# Altium PCB roach2.PcbDoc (part 6 of 39)
Units mil, origin at the board's own origin, x right, y up, seen from the top; angles counter-clockwise.
Board outline 12007.87 x 9606.3 mil, 16 copper layers (L1_TOP, L2_G, L3_S, L4_G, L5_S, L6_P, L7_G, L8_R, L9_R, L10_P, L11_P, L12_S, L13_P, L14_S, L15_G, L16_BOT), stack 81.651 mil thick; 1568 components, 1918 nets, 9251 pads, 6741 vias.
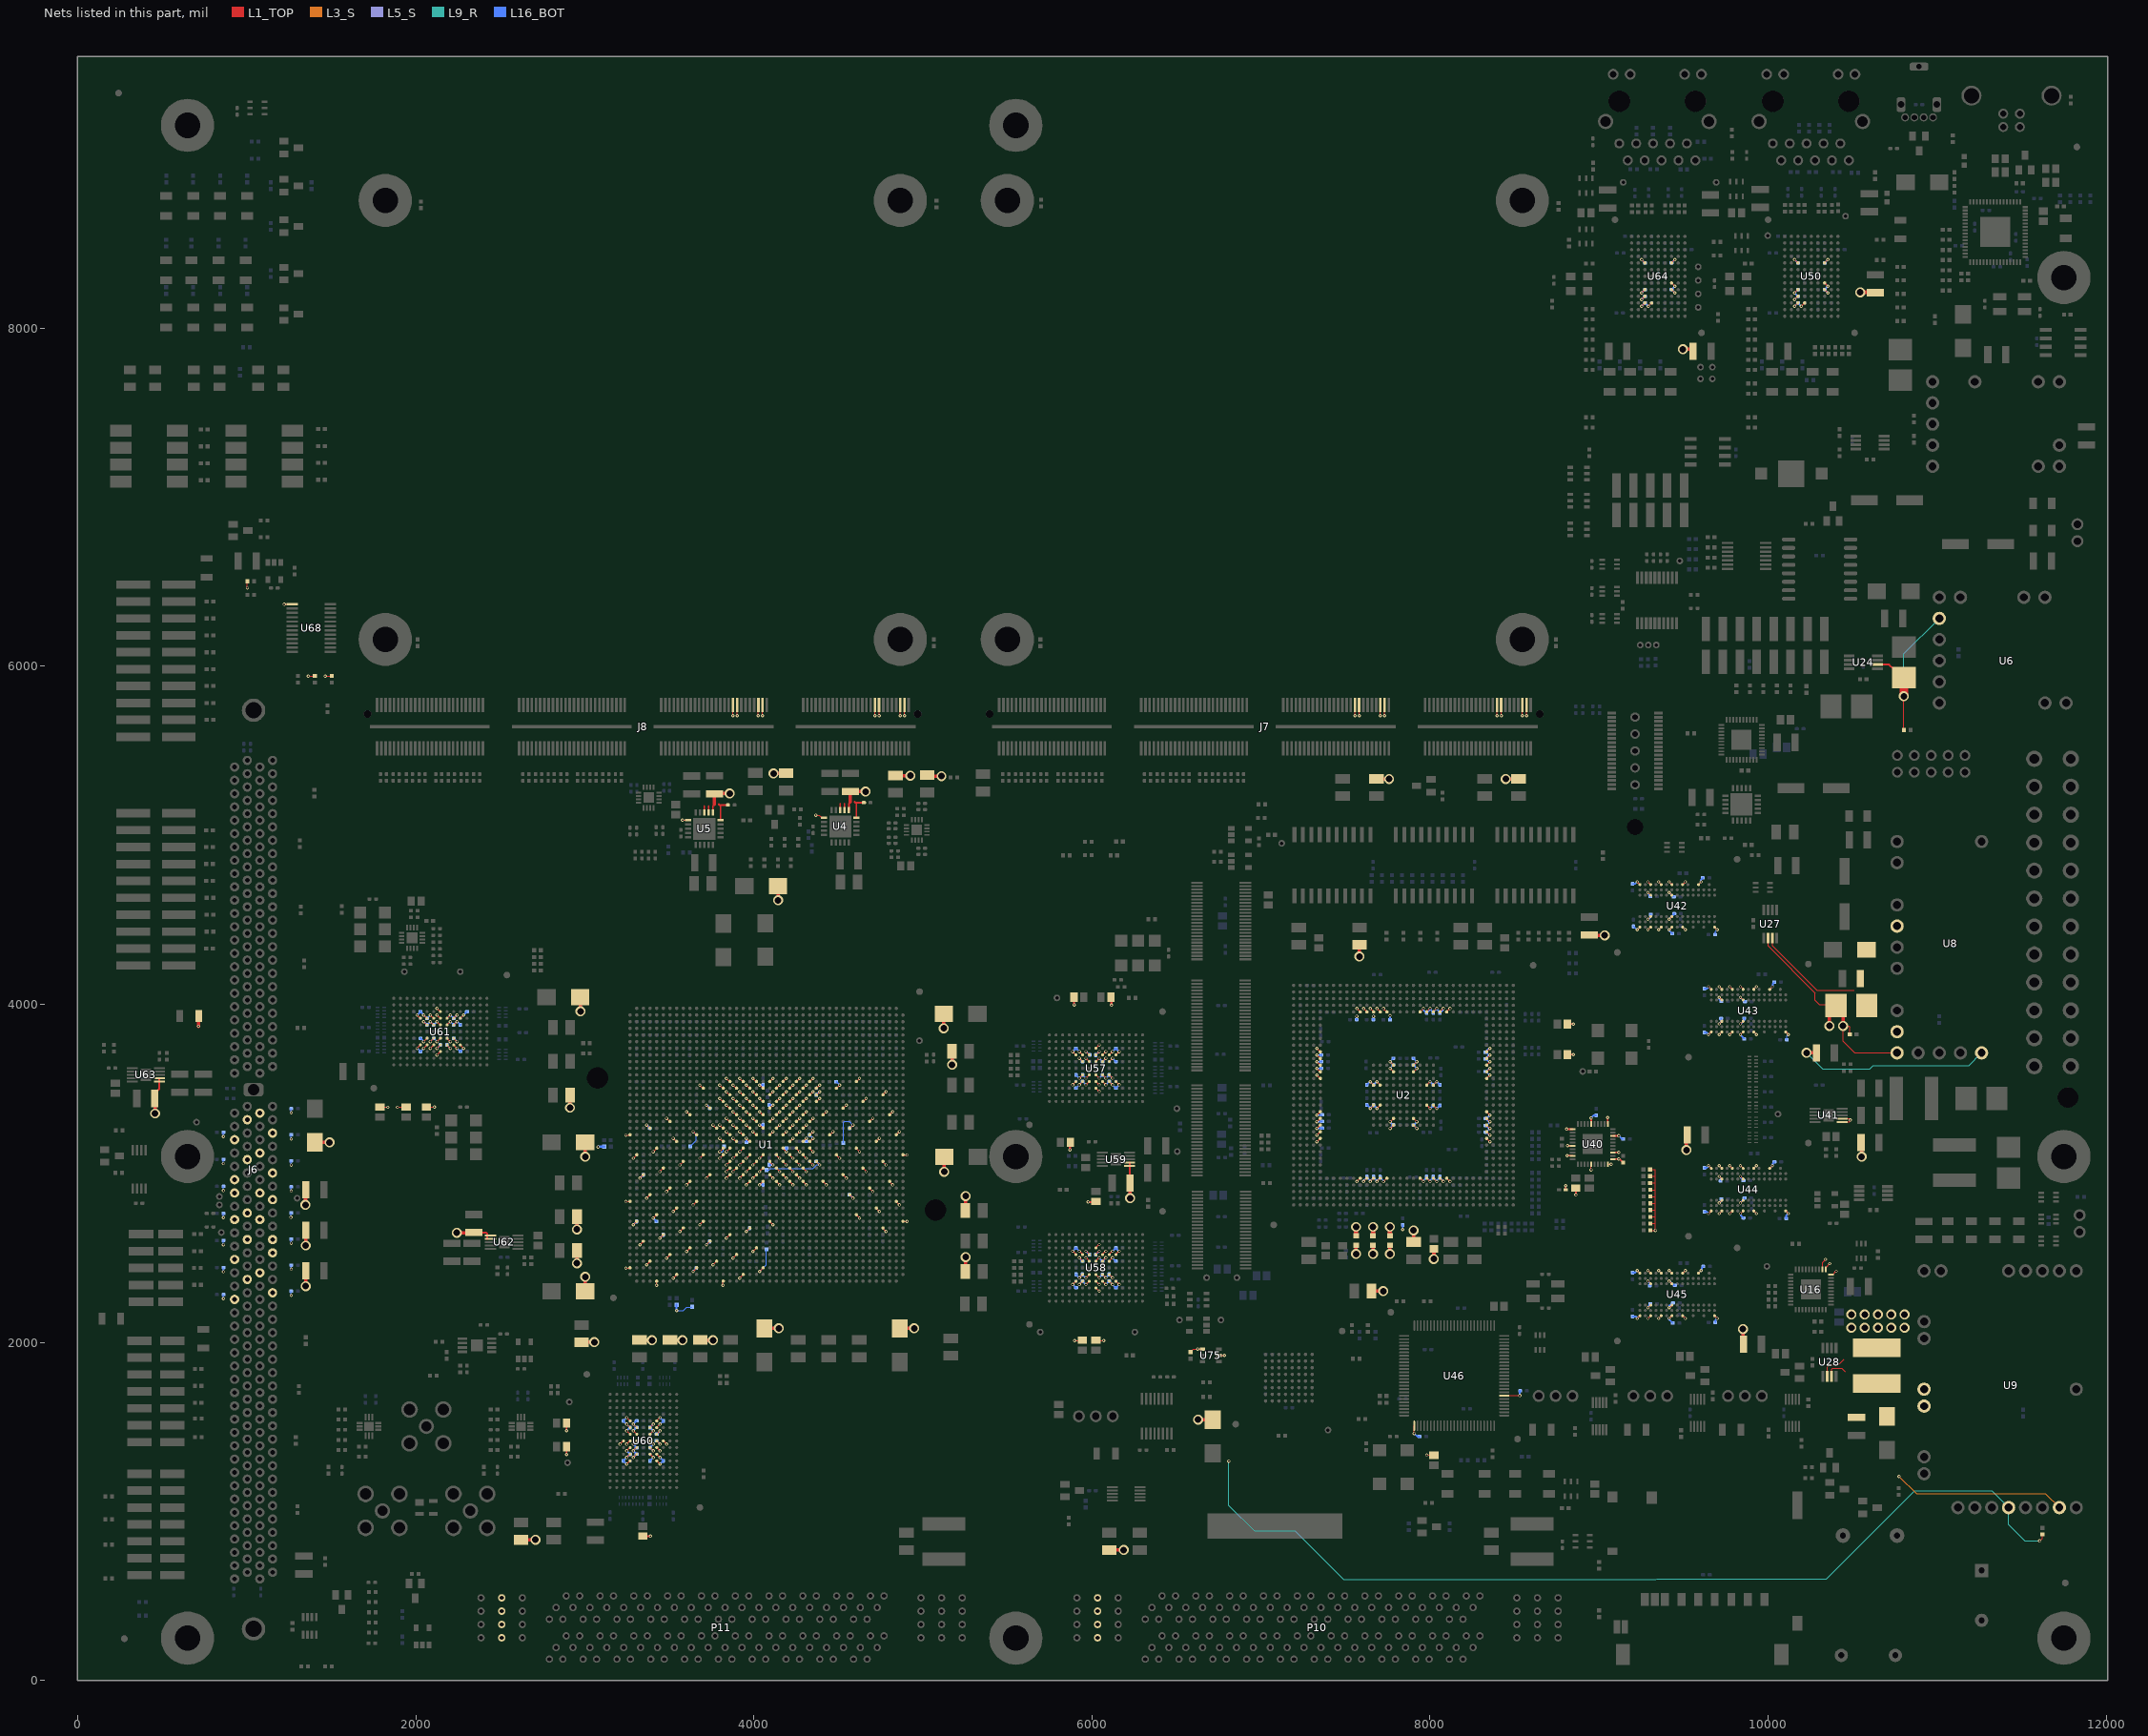
[diagram p20: the nets of this part, all layers, seen from the top]

## Via types
v1: diameter 19.4, hole 10, L1_TOP to L16_BOT, tented both sides, 3354 vias
v2: diameter 19.4, hole 10, L1_TOP to L16_BOT, 1954 vias
v3: diameter 19.4, hole 10, L1_TOP to L16_BOT, tented top, 429 vias
v4: diameter 18.6, hole 10, L1_TOP to L16_BOT, tented both sides, 311 vias
v5: diameter 59.06, hole 39.37, L1_TOP to L16_BOT, 217 vias
v6: diameter 19.4, hole 10.04, L1_TOP to L16_BOT, 125 vias
v7: diameter 19, hole 10, L1_TOP to L16_BOT, 93 vias
v8: diameter 19.4, hole 10, L1_TOP to L16_BOT, tented bottom, 80 vias
v9: diameter 25.98, hole 12.99, L1_TOP to L16_BOT, tented top, 55 vias
v10: diameter 20, hole 10, L1_TOP to L16_BOT, 53 vias
v11: diameter 59.06, hole 39.37, L1_TOP to L16_BOT, tented top, 44 vias
v12: diameter 20, hole 10, L1_TOP to L16_BOT, tented top, 16 vias
v13: diameter 19, hole 10, L1_TOP to L16_BOT, tented top, 5 vias
v14: diameter 25.98, hole 12.99, L1_TOP to L16_BOT, 4 vias
v15: diameter 50, hole 28, L1_TOP to L16_BOT, 1 vias

## Nets (pads, with @x,y where several pads share a name; then routed paths per layer and width w, separated by ;. In a path a pad name is that pad's centre, name@x,y a point inside that pad or via, vN(x,y) a via of type N, cw(c..) or ccw(c..) an arc to the next point about the centre after c; other vN are vias at no path point)
1V0: C289.2 C290.2 C291.2 C292.2 C293.2 C295.2 C296.2 C303.1 C304.1 C305.1 C306.1 C307.1 C308.1 C309.1 C310.1 C311.1 C318.2 C319.2 C320.2 C321.2 C322.2 C323.2 C324.2 C325.2 C694.2 C695.2 C696.2 C697.2 C698.2 C699.2 C700.2 R26.2 R27.2 R37.2 U1.AA12 U1.AA14 U1.AA16 U1.AA18 U1.AA20 U1.AA24 U1.AA26 U1.AB13 U1.AB15 U1.AB17 U1.AB19 U1.AB23 U1.AB25 U1.AB27 U1.AC12 U1.AC14 U1.AC16 U1.AC18 U1.AC20 U1.AC24 U1.AC26 U1.AD13 U1.AD15 U1.AD17 U1.AD19 U1.AD21 U1.AD23 U1.AD25 U1.AD27 U1.AE12 U1.AE14 U1.AE16 U1.AE18 U1.AE20 U1.AE22 U1.AE24 U1.AE26 U1.AF13 U1.AF15 U1.AF17 U1.AF19 U1.AF21 U1.AF23 U1.AF25 U1.AG12 U1.AG14 U1.AG16 U1.AG18 U1.AG20 U1.AG22 U1.AG24 U1.AG26 U1.AH13 U1.AH15 U1.AH19 U1.AH21 U1.AH23 U1.P13 U1.P15 U1.R12 U1.R14 U1.R18 U1.R20 U1.R22 U1.R24 U1.T13 U1.T15 U1.T17 U1.T19 U1.T21 U1.T23 U1.T25 U1.T27 U1.U12 U1.U14 U1.U16 U1.U18 U1.U20 U1.U22 U1.U24 U1.U26 U1.V13 U1.V15 U1.V17 U1.V19 U1.V21 U1.V23 U1.V25 U1.V27 U1.W12 U1.W14 U1.W16 U1.W18 U1.W20 U1.W22 U1.W24 U1.W26 U1.Y13 U1.Y15 U1.Y17 U1.Y19 U1.Y23 U1.Y25 U1.Y27 U9.17 U16.40 U28.2 U50.C6 U50.C7 U50.D7 U50.E3 U50.E7 U50.F3 U50.J3 U50.J7 U64.C6 U64.C7 U64.D7 U64.E3 U64.E7 U64.F3 U64.J3 U64.J7 | length 10746.2
  L1_TOP w5: R37.2@1003.31,6502.99 1003.31,6464.9 v2(1003.9,6464.3) ; v1(3798.31,3089.01) U1.AH23@3818,3108.7 ; v1(3798.31,3207.13) U1.AH21@3818,3187.44 ; v1(3798.31,3285.87) U1.AH19@3818,3266.18 ; v1(3798.31,3443.35) U1.AH15@3818,3423.66 ; v1(3798.31,3522.09) U1.AH13@3818,3502.4 ; v1(3837.68,2970.9) U1.AG26@3857.37,2990.59 ; v1(3837.68,3049.64) U1.AG24@3857.37,3069.33 ; v1(3837.68,3128.38) U1.AG22@3857.37,3148.07 ; v1(3837.68,3246.5) U1.AG20@3857.37,3226.81 ; v1(3837.68,3325.24) U1.AG18@3857.37,3305.55 ; v1(3837.68,3403.98) U1.AG16@3857.37,3384.29 ; v1(3837.68,3482.72) U1.AG14@3857.37,3463.03 ; v1(3837.68,3561.46) U1.AG12@3857.37,3541.77 ; v1(3877.05,3010.27) U1.AF25@3896.74,3029.96 ; v1(3877.05,3089.01) U1.AF23@3896.74,3108.7 ; v1(3877.05,3207.13) U1.AF21@3896.74,3187.44 ; v1(3877.05,3285.87) U1.AF19@3896.74,3266.18 ; v1(3877.05,3364.61) U1.AF17@3896.74,3344.92 ; v1(3877.05,3443.35) U1.AF15@3896.74,3423.66 ; v1(3877.05,3522.09) U1.AF13@3896.74,3502.4 ; v1(3916.42,2970.9) U1.AE26@3936.11,2990.59 ; v1(3916.42,3049.64) U1.AE24@3936.11,3069.33 ; v1(3916.42,3128.38) U1.AE22@3936.11,3148.07 ; v1(3916.42,3246.5) U1.AE20@3936.11,3226.81 ; v1(3916.42,3325.24) U1.AE18@3936.11,3305.55 ; v1(3916.42,3403.98) U1.AE16@3936.11,3384.29 ; v1(3916.42,3482.72) U1.AE14@3936.11,3463.03 ; v1(3916.42,3561.46) U1.AE12@3936.11,3541.77 ; v1(3955.79,2931.53) U1.AD27@3975.48,2951.22 ; v1(3955.79,3010.27) U1.AD25@3975.48,3029.96 ; v1(3955.79,3089.01) U1.AD23@3975.48,3108.7 ; v1(3955.79,3207.13) U1.AD21@3975.48,3187.44 ; v1(3955.79,3285.87) U1.AD19@3975.48,3266.18 ; v1(3955.79,3364.61) U1.AD17@3975.48,3344.92 ; v1(3955.79,3443.35) U1.AD15@3975.48,3423.66 ; v1(3955.79,3522.09) U1.AD13@3975.48,3502.4 ; U1.AD21@3975.16,3181.76 U1.AD21@3975.48,3181.44 ; v1(3995.16,2970.9) U1.AC26@4014.85,2990.59 ; v1(3995.16,3049.64) U1.AC24@4014.85,3069.33 ; v1(3995.16,3246.5) U1.AC20@4014.85,3226.81 ; v1(3995.16,3325.24) U1.AC18@4014.85,3305.55 ; v1(3995.16,3403.98) U1.AC16@4014.85,3384.29 ; v1(3995.16,3482.72) U1.AC14@4014.85,3463.03 ; v1(3995.16,3561.46) U1.AC12@4014.85,3541.77 ; v1(4034.53,2931.53) U1.AB27@4054.22,2951.22 ; v1(4034.53,3010.27) U1.AB25@4054.22,3029.96 ; v1(4034.53,3089.01) U1.AB23@4054.22,3108.7 ; v1(4034.53,3285.87) U1.AB19@4054.22,3266.18 ; v1(4034.53,3364.61) U1.AB17@4054.22,3344.92 ; v1(4034.53,3443.35) U1.AB15@4054.22,3423.66 ; v1(4034.53,3522.09) U1.AB13@4054.22,3502.4 ; U1.AA26@4093.59,2990.59 v1(4113.28,2970.9) ; U1.AA24@4093.59,3069.33 v1(4113.28,3049.64) ; U1.AA20@4093.59,3226.81 v1(4113.28,3246.5) ; U1.AA18@4093.59,3305.55 v1(4113.28,3325.24) ; U1.AA16@4093.59,3384.29 v1(4113.28,3403.98) ; U1.AA14@4093.59,3463.03 v1(4113.28,3482.72) ; U1.AA12@4093.59,3541.77 v1(4113.28,3561.46) ; U1.Y27@4132.96,2951.22 v1(4152.65,2931.53) ; U1.Y25@4132.96,3029.96 v1(4152.65,3010.27) ; U1.Y23@4132.96,3108.7 v1(4152.65,3089.01) ; U1.Y19@4132.96,3266.18 v1(4152.65,3285.87) ; U1.Y17@4132.96,3344.92 v1(4152.65,3364.61) ; U1.Y15@4132.96,3423.66 v1(4152.65,3443.35) ; U1.Y13@4132.96,3502.4 v1(4152.65,3522.09) ; U1.W26@4172.33,2990.59 v1(4192.02,2970.9) ; U1.W24@4172.33,3069.33 v1(4192.02,3049.64) ; U1.W22@4172.33,3148.07 v1(4192.02,3128.38) ; U1.W20@4172.33,3226.81 v1(4192.02,3246.5) ; U1.W18@4172.33,3305.55 v1(4192.02,3325.24) ; U1.W16@4172.33,3384.29 v1(4192.02,3403.98) ; U1.W14@4172.33,3463.03 v1(4192.02,3482.72) ; U1.W12@4172.33,3541.77 v1(4192.02,3561.46) ; U1.V27@4211.7,2951.22 v1(4231.39,2931.53) ; U1.V25@4211.7,3029.96 v1(4231.39,3010.27) ; U1.V23@4211.7,3108.7 v1(4231.39,3089.01) ; U1.V21@4211.7,3187.44 v1(4231.39,3207.13) ; U1.V19@4211.7,3266.18 v1(4231.39,3285.87) ; U1.V17@4211.7,3344.92 v1(4231.39,3364.61) ; U1.V15@4211.7,3423.66 v1(4231.39,3443.35) ; U1.V13@4211.7,3502.4 v1(4231.39,3522.09) ; U1.U26@4251.07,2990.59 v1(4270.76,2970.9) ; U1.U24@4251.07,3069.33 v1(4270.76,3049.64) ; U1.U22@4251.07,3148.07 v1(4270.76,3128.38) ; U1.U20@4251.07,3226.81 v1(4270.76,3246.5) ; U1.U18@4251.07,3305.55 v1(4270.76,3325.24) ; U1.U16@4251.07,3384.29 v1(4270.76,3403.98) ; U1.U14@4251.07,3463.03 v1(4270.76,3482.72) ; U1.U12@4251.07,3541.77 v1(4270.76,3561.46) ; U1.T27@4290.44,2951.22 v1(4310.13,2931.53) ; U1.T25@4290.44,3029.96 v1(4310.13,3010.27) ; U1.T23@4290.44,3108.7 v1(4310.13,3089.01) ; U1.T21@4290.44,3187.44 v1(4310.13,3207.13) ; U1.T19@4290.44,3266.18 v1(4310.13,3285.87) ; U1.T17@4290.44,3344.92 v1(4310.13,3364.61) ; U1.T15@4290.44,3423.66 v1(4310.13,3443.35) ; U1.T13@4290.44,3502.4 v1(4310.13,3522.09) ; U1.R24@4329.81,3069.33 v1(4349.5,3049.64) ; U1.R22@4329.81,3148.07 v1(4349.5,3128.38) ; U1.R20@4329.81,3226.81 v1(4349.5,3246.5) ; U1.R18@4329.81,3305.55 v1(4349.5,3325.24) ; U1.R14@4329.81,3463.03 v1(4349.5,3482.72) ; U1.R12@4329.81,3541.77 v1(4349.5,3561.46) ; U1.P15@4369.18,3423.66 v1(4388.87,3443.35) ; U1.P13@4369.18,3502.4 v1(4388.87,3522.09) ; v1(9251.97,8129.92) U64.C7@9271.65,8149.61 ; v1(9251.97,8169.29) U64.D7@9271.65,8188.98 ; v1(9251.97,8208.66) U64.E7@9271.65,8228.35 ; v1(9251.97,8405.51) U64.J7@9271.65,8385.83 ; v1(9291.34,8129.92) U64.C6@9311.02,8149.61 ; U64.E3@9429.13,8228.35 v1(9448.82,8208.66) ; U64.F3@9429.13,8267.72 v1(9448.82,8248.03) ; U64.J3@9429.13,8385.83 v1(9448.82,8405.51) ; v1(10157.48,8129.92) U50.C7@10177.17,8149.61 ; v1(10157.48,8169.29) U50.D7@10177.17,8188.98 ; v1(10157.48,8208.66) U50.E7@10177.17,8228.35 ; v1(10157.48,8405.51) U50.J7@10177.17,8385.83 ; v1(10196.85,8129.92) U50.C6@10216.54,8149.61 ; U50.E3@10334.65,8228.35 v1(10354.33,8208.66) ; U50.F3@10334.65,8267.72 v1(10354.33,8248.03) ; U50.J3@10334.65,8385.83 v1(10354.33,8405.51) ; U28.2@10350.39,1826.77 10350.39,1854.33 10362.2,1866.14 10416.14,1866.14 10450.2,1900.2 ; U16.40@10372.09,2401.57 10383.57,2401.57 v7(10403,2421) ; v2(11606.99,824.99) 11622.99,840.99 R26.2@11622.99,863.31
  L1_TOP w20: v5(2974.99,3958.99) C307.1@2974.99,4044.58 ; C310.1@3002.99,2302.05 v5(3002.99,2387.64) ; v5(3002.99,3098.35) C305.1@3002.99,3183.94 ; C306.1@4062.4,2082.99 v5(4147.99,2082.99) ; v5@4142.99,4607.79 v5(4142.99,4614.99) C304.1@4142.99,4690.79 ; C309.1@4862.4,2082.99 v5(4947.99,2082.99) ; v5(5122.99,3857.99) C308.1@5122.99,3943.58 ; v5(5125.98,3009.49) C303.1@5125.98,3095.08 ; v5(6628.02,1542.99) C311.1@6713.61,1542.99 ; v5@9505.81,7875.28 C694.2@9551.28,7875.28 ; v5@10554.99,8212.99 C289.2@10600.46,8212.99
  L9_R w3.8: v2(6810,1298) 6810,1036 6960,886 7200,886 7489.6,596.4 9336.46,596.4 9340.06,600 10346,600 10868,1122 11323.98,1122 U9.17@11422.99,1022.99 11422.99,921.01 11519.01,824.99 v2(11606.99,824.99)
  L16_BOT w10: v1(9251.97,8129.92) C699.2@9271.65,8149.61 v1(9291.34,8129.92) ; v1(9251.97,8169.29) C698.2@9271.65,8188.98 ; v1(9251.97,8208.66) C695.2@9271.65,8228.35 ; v1(9251.97,8405.51) C700.2@9271.65,8385.83 ; C696.2@9429.13,8385.83 v1(9448.82,8405.51) ; v1(9448.82,8208.66) C697.2@9429.13,8228.35 v1(9448.82,8248.03) ; v1(10157.48,8129.92) C290.2@10177.17,8149.61 v1(10196.85,8129.92) ; v1(10157.48,8169.29) C293.2@10177.17,8188.98 v1(10157.48,8208.66) 10176.18,8227.36 C296.2@10178.15,8227.36 ; v1(10157.48,8405.51) C291.2@10177.17,8385.83 ; C292.2@10334.65,8385.83 v1(10354.33,8405.51) ; v1(10354.33,8208.66) C295.2@10334.65,8228.35 v1(10354.33,8248.03)
  L16_BOT w12: C323.2@3956.69,3188.98 v1@3956.69,3208.66 ; v1@4035.43,2933.07 C320.2@4055.12,2933.07 ; v1@4035.43,3287.4 C324.2@4055.12,3287.4 ; v1@4035.43,3523.62 C325.2@4055.12,3523.62 ; C321.2@4090.99,3405.51 4092.52,3403.98 v1(4113.28,3403.98) ; C322.2@4094.49,3051.18 v1@4114.17,3051.18 ; v1@4113.28,3405.51 v1@4114.17,3405.51 ; v1@4192.91,3129.92 C319.2@4192.91,3149.61 ; C318.2@4311.02,3188.98 v1@4311.02,3208.66
  other v5: 10492.44,2086.61 10571.18,2086.61 10649.92,2086.61 10728.66,2086.61 10807.4,2086.61 10492.44,2165.35 10571.18,2165.35 10649.92,2165.35 10728.66,2165.35 10807.4,2165.35 9495.81,7875.28 10544.99,8212.99
1V0MON: C34.1 C35.2 R27.1 U9.10 U9.11 U28.3 | length 132.6
  L1_TOP w5: U28.3@10375.79,1799.33 10375.79,1840.35 10381.89,1846.46 10437.01,1846.46 10456.69,1826.77
1V5: C7.2 C8.2 C10.2 C11.2 C363.1 C367.2 C369.2 C373.1 C374.1 C375.1 C376.1 C377.2 C379.2 C381.2 C383.2 C387.1 C390.2 C394.1 C395.1 C396.1 C397.2 C399.2 C401.2 C403.1 C404.2 C408.1 C409.2 C411.2 C413.2 C415.1 C416.2 C512.2 C513.2 C514.2 C515.2 C516.2 C517.2 C518.2 C519.2 C520.2 C522.2 C523.2 C524.2 C525.2 C526.2 C527.2 C528.2 C529.2 C530.2 C567.2 C572.2 C573.2 C574.2 C575.2 C576.2 C577.2 C578.2 C579.2 C580.2 C582.2 C583.2 C584.2 C585.2 C586.2 C587.2 C588.2 C589.2 C590.2 C627.2 C632.1 C633.2 C634.2 C635.2 C636.2 C637.2 C638.2 C639.2 C640.2 C641.2 C642.2 C643.2 C644.2 C645.2 C646.2 C647.2 C648.2 C649.2 C650.2 C662.2 C712.1 C713.1 C716.1 C717.1 F8.1 J6.51 J6.54 J6.57 J6.60 J6.62 J6.65 J6.66 J6.69 J6.72 J6.75 J6.78 J6.170 J6.173 J6.176 J6.179 J6.182 J6.183 J6.186 J6.189 J6.191 J6.194 J6.197 J7.C27 J7.C28 J7.C31 J7.C32 J7.D27 J7.D28 J7.D31 J7.D32 J8.C27 J8.C28 J8.C31 J8.C32 J8.D27 J8.D28 J8.D31 J8.D32 L8.1 L11.1 L13.2 L14.1 L17.1 R18.2 R21.2 R264.2 R266.2 R317.2 R319.2 R325.2 R328.2 R330.2 R332.2 R430.2 R435.2 R476.2 U1.A23 U1.A33 U1.AA33 U1.AB40 U1.AC37 U1.AD34 U1.AE41 U1.AF38 U1.AG25 U1.AG35 U1.AH22 U1.AH42 U1.AJ19 U1.AJ39 U1.AK16 U1.AK26 U1.AK36 U1.AL13 U1.AL23 U1.AL33 U1.AM20 U1.AM30 U1.AM40 U1.AN17 U1.AN27 U1.AN37 U1.AP24 U1.AP34 U1.AR21 U1.AR31 U1.AR41 U1.AT18 U1.AT28 U1.AT38 U1.AU25 U1.AU35 U1.AV22 U1.AV32 U1.AV42 U1.AW19 U1.AW29 U1.AW39 U1.AY26 U1.AY36 U1.B20 U1.B30 U1.BA23 U1.BA33 U1.BB20 U1.BB30 U1.BB40 U1.C17 U1.C27 U1.D14 U1.D24 U1.D34 U1.E21 U1.E31 U1.F18 U1.F28 U1.G15 U1.G25 U1.H12 U1.H22 U1.H32 U1.J19 U1.J29 U1.K16 U1.K26 U1.L13 U1.L23 U1.M20 U1.N17 U1.N27 U1.P14 U1.P24 U1.R21 U4.5 U4.6 U4.7 U4.8 U4.11 U5.5 U5.6 U5.7 U5.8 U5.11 U8.10 U9.20 U16.1 U27.2 U57.E4 U57.E8 U57.F4 U57.F8 U57.G4 U57.G8 U57.H3 U57.H4 U57.H8 U57.H9 U57.J4 U57.J8 U57.K4 U57.K8 U57.L4 U57.L8 U58.E4 U58.E8 U58.F4 U58.F8 U58.G4 U58.G8 U58.H3 U58.H4 U58.H8 U58.H9 U58.J4 U58.J8 U58.K4 U58.K8 U58.L4 U58.L8 U59.1 U59.2 U60.E4 U60.E8 U60.F4 U60.F8 U60.G4 U60.G8 U60.H3 U60.H4 U60.H8 U60.H9 U60.J4 U60.J8 U60.K4 U60.K8 U60.L4 U60.L8 U61.E4 U61.E8 U61.F4 U61.F8 U61.G4 U61.G8 U61.H3 U61.H4 U61.H8 U61.H9 U61.J4 U61.J8 U61.K4 U61.K8 U61.L4 U61.L8 U62.1 U62.2 U63.1 U63.2 U68.1 U75.1 U75.5 | length 14324.7
  L1_TOP w5: v2(1221.62,6366.74) U68.1@1269.79,6366.74 ; v2(1364.3,5942.08) 1364.9,5942.68 R435.2@1402.99,5942.68 ; v2(1464.3,5942.08) 1464.9,5942.68 R430.2@1502.99,5942.68 ; v1(2007.87,3740.16) U61.L8@2027.56,3759.84 ; v1(2007.87,3937.01) U61.L4@2027.56,3917.32 ; v1(2047.24,3740.16) U61.K8@2066.93,3759.84 ; v1(2047.24,3937.01) U61.K4@2066.93,3917.32 ; C582.2@2075.99,3391.99 v2@2107.99,3391.99 ; v1(2086.61,3740.16) U61.J8@2106.3,3759.84 ; v1(2086.61,3937.01) U61.J4@2106.3,3917.32 ; v1(2125.98,3700.79) U61.H9@2145.67,3720.47 ; v1(2125.98,3740.16) U61.H8@2145.67,3759.84 ; v1(2125.98,3937.01) U61.H4@2145.67,3917.32 ; v1(2125.98,3976.38) U61.H3@2145.67,3956.69 ; U61.G8@2185.04,3759.84 v1(2204.73,3740.16) ; U61.G4@2185.04,3917.32 v1(2204.73,3937.01) ; U61.F8@2224.41,3759.84 v1(2244.1,3740.16) ; U61.F4@2224.41,3917.32 v1(2244.1,3937.01) ; U61.E8@2263.78,3759.84 v1(2283.47,3740.16) ; U61.E4@2263.78,3917.32 v1(2283.47,3937.01) ; v1(3208.66,1397.64) U60.H3@3228.35,1417.32 ; v1@3247.13,2439.41 3267.92,2439.41 U1.BB40@3268.24,2439.72 ; v1@3247.13,2833.11 3267.92,2833.11 U1.BB30@3268.24,2833.42 ; v1@3247.13,3226.81 3267.92,3226.81 U1.BB20@3268.24,3227.13 ; v1(3248.03,1279.53) U60.L4@3267.72,1299.21 ; v1(3248.03,1318.9) U60.K4@3267.72,1338.58 ; v1(3248.03,1358.27) U60.J4@3267.72,1377.95 ; v1(3248.03,1397.64) U60.H4@3267.72,1417.32 ; v1(3248.03,1476.38) U60.G4@3267.72,1456.69 ; v1(3248.03,1515.75) U60.F4@3267.72,1496.06 ; v1(3248.03,1555.12) U60.E4@3267.72,1535.43 ; v1(3286.5,2695.31) U1.BA33@3306.19,2715 ; v1(3286.5,3089.01) U1.BA23@3306.19,3108.7 ; v1(3325.87,2577.2) U1.AY36@3345.56,2596.89 ; v1(3325.87,2970.9) U1.AY26@3345.56,2990.59 ; v1(3365.24,2459.09) U1.AW39@3384.93,2478.78 ; v1(3365.24,2852.79) U1.AW29@3384.93,2872.48 ; v1(3365.24,3285.87) U1.AW19@3384.93,3266.18 ; v1(3404.61,2734.68) U1.AV32@3424.3,2754.37 ; v1(3404.61,3128.38) U1.AV22@3424.3,3148.07 ; U1.AV42@3423.98,2358.09 3424.3,2357.77 v1(3424.3,2336.98) ; U60.L8@3425.2,1299.21 v1(3444.88,1279.53) ; U60.K8@3425.2,1338.58 v1(3444.88,1318.9) ; U60.J8@3425.2,1377.95 v1(3444.88,1358.27) ; U60.H8@3425.2,1417.32 v1(3444.88,1397.64) ; U60.G8@3425.2,1456.69 v1(3444.88,1476.38) ; U60.F8@3425.2,1496.06 v1(3444.88,1515.75) ; U60.E8@3425.2,1535.43 v1(3444.88,1555.12) ; v1(3443.98,2616.57) U1.AU35@3463.67,2636.26 ; v1(3443.98,3010.27) U1.AU25@3463.67,3029.96 ; U60.H9@3464.57,1417.32 v1(3484.25,1397.64) ; v1(3483.35,2498.46) U1.AT38@3503.04,2518.15 ; v1(3483.35,2892.16) U1.AT28@3503.04,2911.85 ; v1(3483.35,3325.24) U1.AT18@3503.04,3305.55 ; v1(3522.72,2380.35) U1.AR41@3542.41,2400.04 ; v1(3522.72,2774.05) U1.AR31@3542.41,2793.74 ; v1(3522.72,3207.13) U1.AR21@3542.41,3187.44 ; v1(3562.09,2655.94) U1.AP34@3581.78,2675.63 ; v1(3562.09,3049.64) U1.AP24@3581.78,3069.33 ; v2(3578.17,5090.17) U5.11@3609.52,5090.17 ; v1(3601.46,2537.83) U1.AN37@3621.15,2557.52 ; v1(3601.46,2931.53) U1.AN27@3621.15,2951.22 ; v1(3601.46,3364.61) U1.AN17@3621.15,3344.92 ; v1(3640.83,2419.72) U1.AM40@3660.52,2439.41 ; v1(3640.83,2813.42) U1.AM30@3660.52,2833.11 ; v1(3640.83,3246.5) U1.AM20@3660.52,3226.81 ; v1(3680.2,2695.31) U1.AL33@3699.89,2715 ; v1(3680.2,3089.01) U1.AL23@3699.89,3108.7 ; v1(3680.2,3522.09) U1.AL13@3699.89,3502.4 ; v1(3719.57,2577.2) U1.AK36@3739.26,2596.89 ; v1(3719.57,2970.9) U1.AK26@3739.26,2990.59 ; v1(3719.57,3403.98) U1.AK16@3739.26,3384.29 ; v1(3758.94,2459.09) U1.AJ39@3778.63,2478.78 ; v1(3758.94,3285.87) U1.AJ19@3778.63,3266.18 ; v1(3798.31,3128.38) U1.AH22@3818,3148.07 ; U1.AH42@3817.68,2358.09 3818,2357.77 v1(3818,2336.98) ; v1(3837.68,2616.57) U1.AG35@3857.37,2636.26 ; v1(3837.68,3010.27) U1.AG25@3857.37,3029.96 ; v3(3876.28,5707.7) J8.C27@3876.28,5770.49 ; v1(3877.05,2498.46) U1.AF38@3896.74,2518.15 ; v3(3901.28,5707.7) J8.C28@3901.28,5770.49 ; v1(3916.42,2380.35) U1.AE41@3936.11,2400.04 ; v1(3955.79,2655.94) U1.AD34@3975.48,2675.63 ; v1(3995.16,2537.83) U1.AC37@4014.85,2557.52 ; v3(4026.28,5707.7) J8.C31@4026.28,5770.49 ; v1(4034.53,2419.72) U1.AB40@4054.22,2439.41 ; v3(4051.28,5707.7) J8.C32@4051.28,5770.49 ; U1.AA33@4093.59,2715 v1(4113.28,2695.31) ; U1.R21@4329.81,3187.44 v1(4349.5,3207.13) ; v2(4366.99,5118.99) 4386.98,5118.99 4401.79,5104.17 U4.11@4415.52,5104.17 ; U1.P24@4369.18,3069.33 v1(4388.87,3049.64) ; U1.P14@4369.18,3463.03 v1(4388.87,3482.72) ; U1.N27@4408.55,2951.22 v1(4428.24,2931.53) ; U1.N17@4408.55,3344.92 v1(4428.24,3364.61) ; U1.M20@4447.92,3226.81 v1(4467.61,3246.5) ; U1.L23@4487.29,3108.7 v1(4506.98,3089.01) ; U1.L13@4487.29,3502.4 v1(4506.98,3522.09) ; U1.K26@4526.66,2990.59 v1(4546.35,2970.9) ; U1.K16@4526.66,3384.29 v1(4546.35,3403.98) ; U1.J29@4566.03,2872.48 v1(4585.72,2852.79) ; U1.J19@4566.03,3266.18 v1(4585.72,3285.87) ; U1.H32@4605.4,2754.37 v1(4625.09,2734.68) ; U1.H22@4605.4,3148.07 v1(4625.09,3128.38) ; U1.H12@4605.4,3541.77 v1(4625.09,3561.46) ; U1.G25@4644.77,3029.96 v1(4664.46,3010.27) ; U1.G15@4644.77,3423.66 v1(4664.46,3443.35) ; U1.F28@4684.14,2911.85 v1(4703.83,2892.16) ; U1.F18@4684.14,3305.55 v1(4703.83,3325.24) ; v3(4716.28,5707.7) J8.D27@4716.28,5770.49 ; U1.E31@4723.51,2793.74 v1(4743.2,2774.05) ; U1.E21@4723.51,3187.44 v1(4743.2,3207.13) ; v3(4741.28,5707.7) J8.D28@4741.28,5770.49 ; U1.D34@4762.88,2675.63 v1(4782.57,2655.94) ; U1.D24@4762.88,3069.33 v1(4782.57,3049.64) ; U1.D14@4762.88,3463.03 v1(4782.57,3482.72) ; U1.C27@4802.25,2951.22 v1(4821.94,2931.53) ; U1.C17@4802.25,3344.92 v1(4821.94,3364.61) ; U1.B30@4841.62,2833.11 v1(4861.31,2813.42) ; U1.B20@4841.62,3226.81 v1(4861.31,3246.5) ; v3(4866.28,5707.7) J8.D31@4866.28,5770.49 ; U1.A33@4879.57,2714.68 4879.89,2715 v1@4900.68,2715 ; U1.A23@4879.57,3108.39 4879.89,3108.7 v1@4900.68,3108.7 ; v3(4891.28,5707.7) J8.D32@4891.28,5770.49 ; v1(5885.83,2342.52) U58.E4@5905.51,2362.2 ; v1(5885.83,2539.37) U58.E8@5905.51,2519.68 ; v1(5885.83,3523.62) U57.E4@5905.51,3543.31 ; v1(5885.83,3720.47) U57.E8@5905.51,3700.79 ; v1(5925.2,2342.52) U58.F4@5944.88,2362.2 ; v1(5925.2,2539.37) U58.F8@5944.88,2519.68 ; v1(5925.2,3523.62) U57.F4@5944.88,3543.31 ; v1(5925.2,3720.47) U57.F8@5944.88,3700.79 ; v1(5964.57,2342.52) U58.G4@5984.25,2362.2 ; v1(5964.57,2539.37) U58.G8@5984.25,2519.68 ; v1(5964.57,3523.62) U57.G4@5984.25,3543.31 ; v1(5964.57,3720.47) U57.G8@5984.25,3700.79 ; U58.H3@6023.62,2322.83 v1(6043.31,2303.15) ; U58.H4@6023.62,2362.2 v1(6043.31,2342.52) ; U58.H8@6023.62,2519.68 v1(6043.31,2539.37) ; U58.H9@6023.62,2559.05 v1(6043.31,2578.74) ; U57.H3@6023.62,3503.94 v1(6043.31,3484.25) ; U57.H4@6023.62,3543.31 v1(6043.31,3523.62) ; U57.H8@6023.62,3700.79 v1(6043.31,3720.47) ; U57.H9@6023.62,3740.16 v1(6043.31,3759.84) ; C522.2@6034.99,2010.99 v2@6066.99,2010.99 ; U58.J4@6062.99,2362.2 v1(6082.68,2342.52) ; U58.J8@6062.99,2519.68 v1(6082.68,2539.37) ; U57.J4@6062.99,3543.31 v1(6082.68,3523.62) ; U57.J8@6062.99,3700.79 v1(6082.68,3720.47) ; U58.K4@6102.36,2362.2 v1(6122.05,2342.52) ; U58.K8@6102.36,2519.68 v1(6122.05,2539.37) ; U57.K4@6102.36,3543.31 v1(6122.05,3523.62) ; U57.K8@6102.36,3700.79 v1(6122.05,3720.47) ; U58.L4@6141.73,2362.2 v1(6161.42,2342.52) ; U58.L8@6141.73,2519.68 v1(6161.42,2539.37) ; U57.L4@6141.73,3543.31 v1(6161.42,3523.62) ; U57.L8@6141.73,3700.79 v1(6161.42,3720.47) ; R476.2@6582.99,1942.68 6600.71,1960.39 v3(6625.68,1960.39) ; v3@6627.68,1960.39 U75.1@6659.68,1960.39 ; U75.5@6746.3,1922.99 v2@6778.3,1922.99 ; v3(7556.28,5707.7) J7.C27@7556.28,5770.49 ; v3(7581.28,5707.7) J7.C28@7581.28,5770.49 ; v3(7706.28,5707.7) J7.C31@7706.28,5770.49 ; v3(7731.28,5707.7) J7.C32@7731.28,5770.49 ; v3(8396.28,5707.7) J7.D27@8396.28,5770.49 ; v3(8421.28,5707.7) J7.D28@8421.28,5770.49 ; v3(8546.28,5707.7) J7.D31@8546.28,5770.49 ; v3(8571.28,5707.7) J7.D32@8571.28,5770.49 ; U27.2@10000.2,4391.14 10000.2,4345.79 10278.99,4066.99 10278.99,4022.99 10302.99,3998.99 10396.44,3998.99 R21.2@10402.44,3992.99 ; U16.1@10341.57,2432.09 10341.57,2442.57 v7(10365,2466) ; R18.2@10483.31,3822.99 10482.99,3823.31 10482.99,3866.99 10476.99,3872.99 v5(10442.99,3872.99) 10442.99,3780.99 10510.99,3712.99 U8.10@10762.99,3712.99
  L1_TOP w10: C627.2@2342.99,2649.84 2416.14,2649.84 2422.99,2642.99 U62.2@2422.99,2612.99 ; v2(2892.52,1336.99) C572.2@2892.52,1382.99 ; U5.8@3706.99,5134.46 3706.99,5173.99 ; U5.7@3732.58,5134.46 3732.58,5173.4 ; U5.6@3758.17,5134.46 3758.17,5172.81 ; U5.5@3802.46,5090.17 3802.46,5173.52 ; U4.8@4510.99,5148.46 4510.99,5187.99 ; U4.7@4536.58,5148.46 4536.58,5187.4 ; U4.6@4562.17,5148.46 4562.17,5186.81 ; U4.5@4606.46,5104.17 4606.46,5187.52 ; U59.2@6223.7,3063.31 U59.1@6223.7,3043.62 6223.7,2945.43 C567.2@6226.14,2942.99 ; L13.2@8812.52,3702.99 v3(8847.52,3702.99) ; L17.1@8812.52,3882.99 v3(8847.52,3882.99)